# KiCad board issue8909.kicad_pcb (continued)
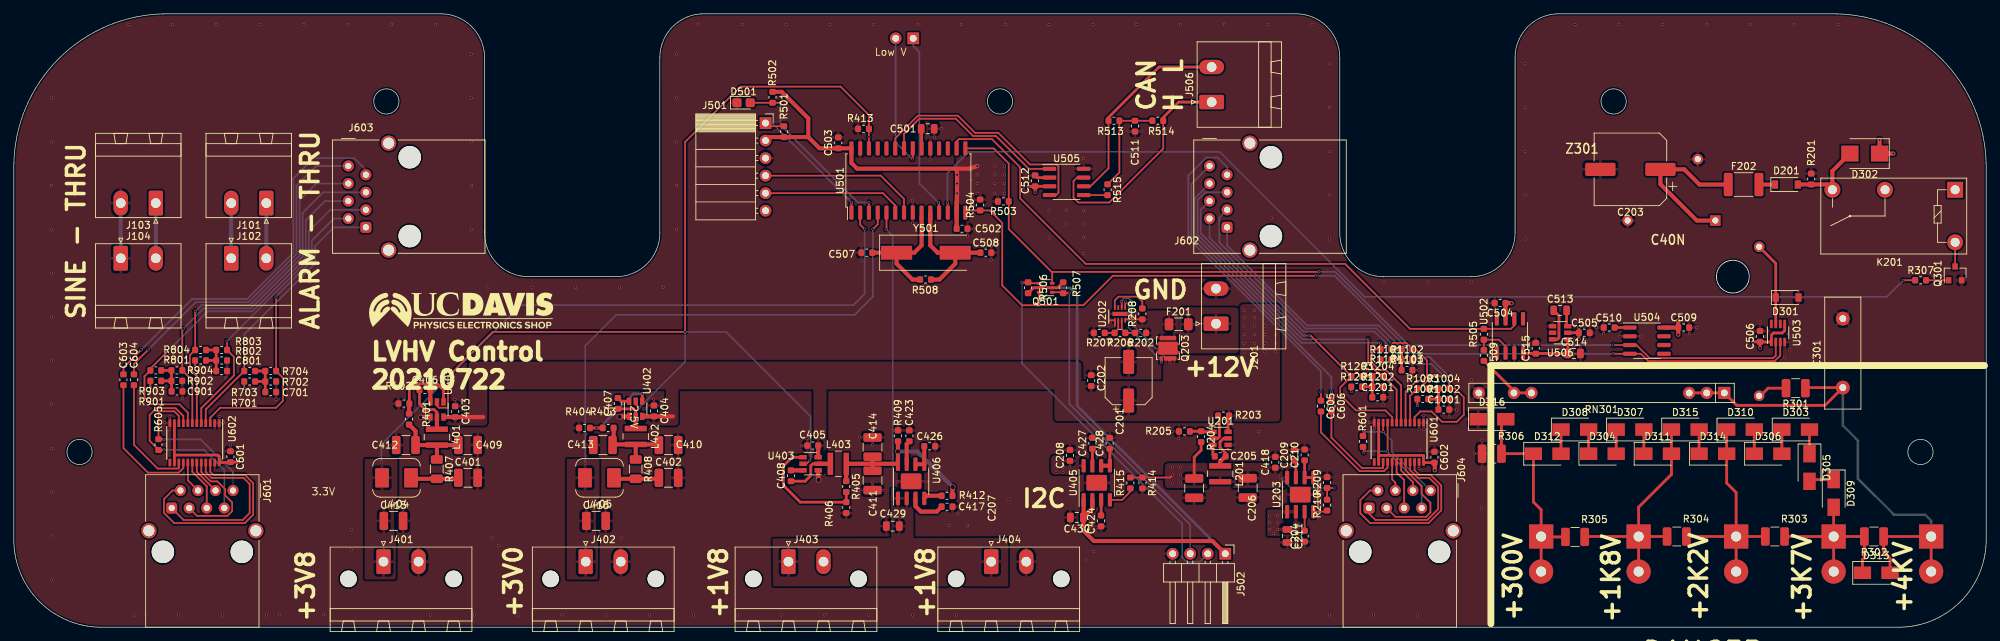
[diagram p0: board, top side]
## Nets
+3V3: C430.1 J502.1 Q501.2 Q501.5 R506.2 R507.2 U405.1 U405.2
+3V3I: C211.1 C601.2 C602.2 R701.1 R801.1 R901.1 R1001.1 R1101.1 R1201.1 U203.1 U203.2 U601.11 U601.14 U601.24 U602.11 U602.14 U602.24
+3V8: C409.1 C412.1 L401.2 R401.1 R407.1
+5V: C206.1 C207.1 C208.1 C418.1 C502.1 C503.1 C504.1 C505.1 C506.1 C509.1 C512.1 J501.2 L201.2 R204.1 R209.1 R210.2 R414.1 R415.2 R501.1 R502.2 R503.2 R504.2 U203.8 U405.8 U501.13 U501.28 U502.7 U503.1 U503.5 U504.8 U505.3 U506.2
+12V: C201.1 C202.1 C403.1 C404.1 C405.1 D302.1 K201.1 K201.2 Q203.6 Q203.7 Q203.8 R203.2 U201.3 U202.6 U401.3 U402.3 U403.3
-5V: C514.1 C515.1 U502.4 U506.1
/LowVoltage/1V8_OUT: C429.1 J403.1 J404.1 U406.1 U406.2 U501.5
/LowVoltage/2V6: C411.1 C414.1 L403.2 R405.1 R409.1 R412.2 U406.8
/LowVoltage/2V6_Feedback: R405.2 R406.1 U403.4
/LowVoltage/3V0: C410.1 C413.1 L402.2 R403.1 R408.1
/LowVoltage/3V0_Feedback: R403.2 R404.1 U402.4
/LowVoltage/3V0_OUT: C416.1 J402.1 L405.2 U501.4
/LowVoltage/3V8_Feedback: R401.2 R402.1 U401.4
/LowVoltage/3V8_OUT: C415.1 J401.1 L404.2 U501.2
/PowerInput/5V_Feedback: R204.2 R205.1 U201.4
/PowerInput/VIN: F201.2 J201.1
/PowerInput/VIN_FUSED: F201.1 Q203.1 Q203.2 Q203.3 Q203.4 R202.1 R208.1 U202.4
GND: C201.2 C202.2 C203.2 C204.1 C206.2 C207.2 C208.2 C209.2 C210.2 C211.2 C301.2 C401.2 C402.2 C403.2 C404.2 C405.2 C409.2 C410.2 C411.2 C412.2 C413.2 C414.2 C415.2 C416.2 C417.1 C418.2 C423.2 C424.1 C426.2 C427.2 C428.2 C429.2 C430.2 C501.2 C502.2 C503.2 C504.2 C505.2 C506.2 C507.2 C508.2 C509.2 C510.2 C511.2 C512.2 C514.2 C515.2 C601.1 C602.1 C701.2 C801.2 C901.2 C1001.2 C1101.2 C1201.2 D301.2 D316.1 D501.1 J103.2 J104.1 J201.2 J401.2 J402.2 J403.2 J404.2 J501.3 J502.4 Q301.2 R201.2 R205.2 R207.2 R209.2 R306.2 R402.2 R404.2 R406.2 R409.2 R413.2 R414.2 R702.2 R802.2 R902.2 R1002.2 R1102.2 R1202.2 RN301.3 U201.1 U202.1 U202.9 U203.9 U401.1 U402.1 U403.1 U405.9 U406.9 U501.8 U501.19 U501.27 U502.3 U503.4 U504.2 U505.2 U505.8 U506.4 U601.1 U601.2 U601.12 U601.23 U602.1 U602.2 U602.12 U602.23 Z301.2 Z301.5
/Alarm1: J101.1 J102.2
/Alarm2: J101.2 J102.1
/HighVoltage/HV_Ctrl: D301.1 U503.7 Z301.3
/HighVoltage/HV_MON: R509.2 RN301.2
/HighVoltage/HV_ON_OFF: R307.1 U501.12
/HighVoltage/SW1: K201.5 Q301.3
/LowVoltage/LV_EN: R413.1 U401.5 U402.5 U403.5 U501.26
/LVDSConnections/BiasNet1/in_n: J603.6 R804.2 U602.6
/LVDSConnections/BiasNet1/in_p: J603.3 R803.1 U602.5
/LVDSConnections/BiasNet2/in_n: J603.5 R904.2 U602.7
/LVDSConnections/BiasNet2/in_p: J603.4 R903.1 U602.8
/LVDSConnections/BiasNet3/in_n: J602.2 R1004.2 U601.3
/LVDSConnections/BiasNet3/in_p: J602.1 R1003.1 U601.4
/LVDSConnections/BiasNet4/in_n: J602.6 R1104.2 U601.6
/LVDSConnections/BiasNet4/in_p: J602.3 R1103.1 U601.5
/LVDSConnections/BiasNet5/in_n: J602.5 R1204.2 U601.7
/LVDSConnections/BiasNet5/in_p: J602.4 R1203.1 U601.8
/LVDSConnections/BiasNet/in_n: J603.2 R704.2 U602.3
/LVDSConnections/BiasNet/in_p: J603.1 R703.1 U602.4
/MCU/CAN_H: J506.1 R514.1 U505.7
/MCU/CAN_L: J506.2 R513.2 U505.6
/MCU/CAN_RX: U501.23 U505.4
/MCU/CAN_TX: U501.22 U505.1
/MCU/PGC: J501.5 U501.6
/MCU/PGD: J501.4 U501.7
/MCU/SCL: Q501.3 R503.1 U501.15 U503.2 U504.3
/MCU/SDA: Q501.6 R504.1 U501.14 U503.3 U504.4
/Sine: J103.1 J104.2
Net-(C203-Pad1): C203.1 F202.1 Z301.1
Net-(C204-Pad2): C204.2 U203.3
Net-(C205-Pad1): C205.1 L201.1 U201.2
Net-(C205-Pad2): C205.2 U201.6
Net-(C209-Pad1): C209.1 U203.7
Net-(C210-Pad1): C210.1 U203.5 U203.6
Net-(C301-Pad1): C301.1 D313.2 J305.1 R301.1 R302.1 RN301.1
Net-(C401-Pad1): C401.1 L404.1 R407.2
Net-(C402-Pad1): C402.1 L405.1 R408.2
Net-(C406-Pad1): C406.1 L401.1 U401.2
Net-(C406-Pad2): C406.2 U401.6
Net-(C407-Pad1): C407.1 L402.1 U402.2
Net-(C407-Pad2): C407.2 U402.6
Net-(C408-Pad1): C408.1 L403.1 U403.2
Net-(C408-Pad2): C408.2 U403.6
Net-(C417-Pad2): C417.2 U406.3
Net-(C423-Pad1): C423.1 U406.7
Net-(C424-Pad2): C424.2 U405.3
Net-(C426-Pad1): C426.1 U406.5 U406.6
Net-(C427-Pad1): C427.1 U405.7
Net-(C428-Pad1): C428.1 U405.5 U405.6
Net-(C501-Pad1): C501.1 U501.20
Net-(C507-Pad1): C507.1 R508.1 U501.9 Y501.1
Net-(C508-Pad1): C508.1 R508.2 U501.10 Y501.2
Net-(C510-Pad1): C510.1 U504.1
Net-(C511-Pad1): C511.1 R513.1 R514.2 R515.1
Net-(C513-Pad1): C513.1 U506.6
Net-(C513-Pad2): C513.2 U506.3
Net-(C603-Pad1): C603.1 J603.7
Net-(C603-Pad2): C603.2 U602.16
Net-(C604-Pad1): C604.1 J603.8
Net-(C604-Pad2): C604.2 U602.15
Net-(C605-Pad1): C605.1 J602.7
Net-(C605-Pad2): C605.2 U601.16
Net-(C606-Pad1): C606.1 J602.8
Net-(C606-Pad2): C606.2 U601.15
Net-(C701-Pad1): C701.1 R701.2 R702.1 R703.2 R704.1
Net-(C801-Pad1): C801.1 R801.2 R802.1 R803.2 R804.1
Net-(C901-Pad1): C901.1 R901.2 R902.1 R903.2 R904.1
Net-(C1001-Pad1): C1001.1 R1001.2 R1002.1 R1003.2 R1004.1
Net-(C1101-Pad1): C1101.1 R1101.2 R1102.1 R1103.2 R1104.1
Net-(C1201-Pad1): C1201.1 R1201.2 R1202.1 R1203.2 R1204.1
Net-(D201-Pad1): D201.1 F202.2
Net-(D201-Pad2): D201.2 D302.2 K201.3 R201.1
Net-(D303-Pad1): D303.1 D306.2
Net-(D303-Pad2): D303.2 D305.1
Net-(D304-Pad1): D304.1 D308.2
Net-(D304-Pad2): D304.2 D307.1
Net-(D305-Pad2): D305.2 D309.1
Net-(D306-Pad1): D306.1 D310.2
Net-(D307-Pad2): D307.2 D311.1
Net-(D308-Pad1): D308.1 D312.2
Net-(D309-Pad2): D309.2 D313.1 J301.1 R302.2 R303.1
Net-(D310-Pad1): D310.1 D314.2 J302.1 R303.2 R304.1
Net-(D311-Pad2): D311.2 D315.1 J303.1 R304.2 R305.1
Net-(D312-Pad1): D312.1 D316.2 J304.1 R305.2 R306.1
Net-(D314-Pad1): D314.1 D315.2
Net-(D501-Pad2): D501.2 R502.1 U501.3
Net-(J501-Pad1): J501.1 R501.2 U501.1
Net-(J502-Pad2): J502.2 Q501.4 R506.1
Net-(J502-Pad3): J502.3 Q501.1 R507.1
Net-(J504-Pad1): J504.1 U501.11
Net-(J504-Pad2): J504.2 U501.21
Net-(J601-Pad1): J601.1 U602.21
Net-(J601-Pad2): J601.2 U602.22
Net-(J601-Pad3): J601.3 U602.20
Net-(J601-Pad4): J601.4 U602.17
Net-(J601-Pad5): J601.5 U602.18
Net-(J601-Pad6): J601.6 U602.19
Net-(J601-Pad7): J601.7 R605.1 U602.9
Net-(J601-Pad8): J601.8 R605.2 U602.10
Net-(J604-Pad1): J604.1 U601.21
Net-(J604-Pad2): J604.2 U601.22
Net-(J604-Pad3): J604.3 U601.20
Net-(J604-Pad4): J604.4 U601.17
Net-(J604-Pad5): J604.5 U601.18
Net-(J604-Pad6): J604.6 U601.19
Net-(J604-Pad7): J604.7 R601.1 U601.9
Net-(J604-Pad8): J604.8 R601.2 U601.10
Net-(Q203-Pad5): Q203.5 U202.5
Net-(Q203-Pad9): Q203.9
Net-(Q301-Pad1): Q301.1 R307.2
Net-(R202-Pad2): R202.2 R206.1 U202.3
Net-(R203-Pad1): R203.1 U201.5
Net-(R206-Pad2): R206.2 R207.1 U202.2
Net-(R208-Pad2): R208.2 U202.8
Net-(R210-Pad1): R210.1 U203.4
Net-(R301-Pad2): R301.2 Z301.4
Net-(R412-Pad1): R412.1 U406.4
Net-(R415-Pad1): R415.1 U405.4
Net-(R505-Pad1): R505.1 U501.16 U502.6
Net-(R505-Pad2): R505.2 R509.1 U502.2
Net-(R515-Pad2): R515.2 U505.5

Pads without a net: J501 6; J601 SH; J602 SH; J603 SH; J604 SH; U202 7; U501 17 18 24 25; U502 1 5 8; U503 6 8; U504 5 6 7; U506 5; U601 13; U602 13

## Via types
v1: diameter 0.8, hole 0.635, Top to Bottom, 5 vias
v2: diameter 0.406, hole 0.305, Top to Bottom, 303 vias
v3: diameter 0.457, hole 0.356, Top to Bottom, 10 vias

## Routing (per net, layer and track width the routed paths; a pad name or vN(x,y) marks a point on that pad's centre or on a via; arc(x,y) is an arc through that point)
+3V3: length 86.6
  Top w0.4: R506.2 147.73,49.2 Q501.5 v2(149.49,49.2) Q501.2 151.24,49.2 R507.2
  Top w0.6: U405.2 156.26,17.22 C430.1 154.95,14.02 156.47,12.49 173.66,12.49 J502.1 ; U405.1 154.99,15.95
  Bottom w0.4: J502.1 154.06,32.1 154.06,48.14 153.01,49.2 v2(149.49,49.2)
+3V3I: length 37.3
  Top w0.25: R1101.1 198,38.1 v2(198.18,37.92) ; v2(203.38,32.12) 203.34,32.17 R1001.1 ; R801.1 26.27,37.79 v2(26.26,37.77) ; R701.1 v2(33.38,34.61) ; R1201.1 193.76,34.14 v2(193.78,34.12) ; R901.1 v2(19.79,34.7)
  Top w0.4: 23.26,24.95 29.58,24.95 29.76,24.77 U602.24 31.32,23.87 ; 23.26,24.95 U602.14 ; 23.26,24.95 U602.11 ; C601.2 v2(32.58,23.92) ; U601.14 197.74,29.65 ; C602.2 204.33,23.85 204.24,23.95 204.23,24.9 197.74,24.9
  Top w0.6: v3(205.87,22.73) 205.87,23.8
  vias: v2(181.91,16.15) v2(181.91,15.15) v2(181.91,14.15) v2(182.51,13.55) v2(183.11,16.15) v2(183.11,15.15) v2(183.11,14.15)
+3V8: length 11.6
  Top w0.6: L401.2 58.21,26.4 ; L401.2 64.39,26.4 ; L401.2 61.3,24.32 ; R401.1 58.2,28.43 C412.1
+5V: length 99.3
  Top w0.25: v2(191.26,20.18) R209.1 R210.2 ; R415.2 R414.1 167.51,21.69 v2(167.87,22.05)
  Top w0.4: C505.1 v3(226.74,43.46) ; C505.1 226.74,41.77 v3(226.75,41.76) ; C505.1 U506.2 ; U503.5 256.56,42.98 256.22,42.64 254.92,42.64 254.62,42.34 U503.1 253.01,41.33 ; v3(253,40.44) 252.98,40.46 C506.1 v3(251.95,41.36) ; R204.1 172.01,25.65 171.01,24.65 C207.1 ; C512.1 147.96,63.05 v3(147.96,63.05) ; C512.1 v3(146.96,63.9) ; C512.1 150.04,63.9
  Top w0.6: v2(139.57,66.83) 138.49,66.45 122.17,66.45 121.35,67.28 U501.28 121.33,69.41 C503.1 116.72,69.41 115.1,71.03 ; U501.13 v2(136.65,62.9) v2(136.65,64.29) v2(136.65,65.56) 136.59,66.45 ; U501.13 C502.1 ; U501.13 136.59,61.69 ; R502.2 111.26,77.58 115.1,73.75 115.1,71.03 ; C509.1 v3(241.14,42.4) ; C509.1 v3(241.14,44.47) ; C509.1 U504.8 ; J501.2 109.41,71.03 R501.1 115.1,71.03 ; U502.7 C504.1 216.98,46.97 v3(216.99,46.96)
  Bottom w0.25: v2(191.26,20.18) 185.06,20.18 v2(183.46,21.78)
  vias: v2(139.57,65.56) v2(139.57,64.29) v2(139.57,62.9) v2(142.11,66.83) v2(142.11,65.56) v2(142.11,64.29) v2(142.11,62.9) v2(143.51,66.83) v2(143.51,65.56) v2(143.51,64.29) v2(143.51,62.9) v2(150.98,24.01) v2(150.98,23.21) v2(150.98,22.41) v2(151.98,24.01) v2(151.98,23.21) v2(151.98,22.41) v2(152.98,23.21) v2(152.98,22.41) v2(167.87,23.19) v2(167.87,20.9) v2(169.01,23.19) v2(169.01,22.05) v2(169.01,20.9)
+12V: length 32.6
  Top w0.25: U202.6 160.51,47.11 v2(160.44,47.18) ; v2(167.51,38.4) Q203.7
  Top w0.4: U201.3 175.92,30.53
  Top w0.6: U402.3 C404.1 95.48,30.55 ; U403.3 C405.1 ; 68.01,30.46 C403.1 62.25,30.46 ; v2(272.3,68.64) D302.1 v2(270.3,70.64)
  Bottom w0.25: v2(167.51,38.4) 161.98,43.93 161.98,47.22 161.52,47.68 160.83,47.68 160.44,47.3 v2(160.44,47.18)
  vias: v2(178.25,45.9) v2(178.25,44.9) v2(178.25,43.65) v2(178.25,42.4) v2(178.25,41.15) v2(178.25,39.9) v2(179.75,45.9) v2(179.75,44.9) v2(179.75,43.65) v2(179.75,42.4) v2(179.75,41.15) v2(179.75,39.9) v2(181.25,43.65) v2(181.25,42.4) v2(181.25,41.15) v2(181.25,39.9) v2(182.75,42.4) v2(182.75,41.15) v2(182.75,39.9)
-5V: length 8.4
  Top w0.4: C514.1 218.73,39.67 ; U506.1 225.13,39.71
/LowVoltage/1V8_OUT: length 41.8
  Top w0.25: v2(126.36,57.69) 126.43,57.75 U501.5
  Bottom w0.25: v2(126.36,57.69) 127.34,56.72 v2(127.34,18.69)
/LowVoltage/2V6: length 26.7
  Top w0.6: v1(136.03,20.32) 135.99,20.28 R412.2 ; C414.1 C411.1 ; R405.1 L403.2 128.09,23.69 ; R409.1 U406.8
  Bottom w0.6: v1(136.03,20.32) 130.89,25.47 v1(128.09,25.47)
/LowVoltage/2V6_Feedback: length 17.8
  Top w0.4: R405.2 R406.1 113.93,18.12 111.48,20.57 111.48,23.37 112.75,24.64 U403.4
/LowVoltage/3V0: length 11
  Top w0.6: L402.2 R408.1 ; L402.2 93.36,26.49 ; L402.2 86.84,26.49 ; R403.1 86.9,26.56
/LowVoltage/3V0_Feedback: length 11.6
  Top w0.4: U402.4 91.05,33.81 v2(91.07,33.83) ; R403.2 v2(84.46,28.88) R404.1
  Bottom w0.4: v2(91.07,33.83) 89.81,33.83 84.85,28.88 v2(84.46,28.88)
/LowVoltage/3V0_OUT: length 74.2
  Top w0.25: v2(124.46,57.69) 125.16,58.39 U501.4
  Bottom w0.25: v2(82.79,23.72) 82.79,40.79 87.26,45.26 121.8,45.26 124.46,47.92 v2(124.46,57.69)
/LowVoltage/3V8_Feedback: length 10.9
  Top w0.4: R402.1 57.3,34.5 58.07,35.27 61.35,35.27 62.25,34.37 U401.4
  Top w0.6: R401.2 57.26,32.37
/LowVoltage/3V8_OUT: length 93.7
  Top w0.25: U501.2 122.62,58.33 v2(123.26,57.69)
  Bottom w0.25: v2(123.26,57.69) 123.26,48.29 121.66,46.69 73.46,46.69 53.24,26.48 v2(53.24,23.94)
/PowerInput/5V_Feedback: length 2.9
  Top w0.4: U201.4 172.09,28.32 ; R204.2 170.79,28.4
/PowerInput/VIN_FUSED: length 2.5
  Top w0.25: U202.4 161.15,44.62 R208.1
GND: length 16
  Top w0.25: 158.8,44.48 U202.1 159.51,43.65
  Top w0.4: C512.2 148.27,65.17 150.04,65.17
  Top w0.6: v1(87.75,30.49) 87.81,30.55 U402.1 ; U403.1 116.54,21.4 v1(116.6,21.34) ; v1(58.95,30.4) 59.01,30.46 60.35,30.46
  Bottom w0.6: J103.2 J104.1
  vias: v2(5.46,76.71) v2(5.46,70.36) v2(5.46,64.01) v2(5.46,57.66) v2(5.46,51.31) v2(5.46,44.96) v2(5.46,38.61) v2(5.46,32.26) v2(5.46,25.91) v2(5.46,19.56) v2(5.46,13.21) v2(5.46,6.86) v2(16.64,87.38) v2(17.54,1.78) v2(19.18,1.78) v2(21.84,29.64) v2(22.6,30.53) v2(22.6,28.62) v2(22.99,87.38) v2(23.89,1.78) v2(24.43,33.14) v2(29.34,87.38) v2(29.84,30.53) v2(30.24,1.78) v2(30.35,29.64) v2(30.66,36.17) v2(31.38,26.41) v2(35.69,87.38) v2(36.59,1.78) v2(37.98,33.01) v2(38.48,1.81) v2(42.04,87.38) v2(44.83,1.81) v2(48.39,87.38) v2(48.89,14.13) v2(48.89,11.21) v2(54.74,87.38) v2(60.37,1.78) v2(61.09,87.38) v2(63.9,32.97) v2(64.92,32.08) v2(66.29,83.06) v2(66.29,76.71) v2(66.29,70.36) v2(66.29,64.01) v2(66.29,57.66) v2(66.72,1.78) v2(68.71,49.28) v2(69.26,12.95) v2(70.27,11.81) v2(73.07,1.78) v2(75.06,49.28) v2(79.42,1.78) v2(81.41,49.28) v2(85.77,1.78) v2(87.76,49.28) v2(88.05,12.95) v2(92.12,1.78) v2(92.7,33.07) v2(93.85,32.05) v2(94.11,49.28) v2(96.01,83.06) v2(96.01,76.71) v2(96.01,70.36) v2(96.01,64.01) v2(96.01,57.66) v2(98.47,1.78) v2(99.19,87.38) v2(104.82,1.78) v2(105.54,87.38) v2(111.17,1.78) v2(111.89,87.38) v2(114.15,26.29) v2(114.91,27.31) v2(117.52,1.78) v2(118.24,87.38) v2(122.4,19.81) v2(122.53,27.56) v2(122.73,55.53) v2(122.73,53.1) v2(123.87,1.78) v2(124.43,26.42) v2(124.43,20.96) v2(124.59,87.38) v2(126.21,19.81) v2(127.99,21.08) v2(130.18,61.88) v2(130.18,58.58) v2(130.22,1.78) v2(130.94,87.38) v2(132.18,21.08) v2(132.72,67.72) v2(133.35,71.03) v2(134.37,72.3) v2(135.48,14.73) v2(136.57,1.78) v2(136.75,16.51) v2(137.29,87.38) v2(138.18,56.67) v2(138.15,14.73) v2(139.06,57.69) v2(140.49,18.55) v2(141.6,55.28) v2(141.6,53.25) v2(142.27,17.4) v2(143.64,87.38) v2(144.18,18.55) v2(149.99,87.38) v2(150,60.44) v2(150,56.44) v2(152.5,60.44) v2(152.5,58.44) v2(155,67.94) v2(155,60.44) v2(155,58.44) v2(155,56.44) v2(155,54.14) v2(155.3,9.72) v2(156.34,87.38) v2(156.44,10.99) v2(156.89,14.1) v2(161.54,71.88) v2(162.69,87.38) v2(163.32,71.88) v2(167.81,28.38) v2(168.78,27.36) v2(169.04,87.38) v2(175.39,87.38) v2(175.9,25.78) v2(176.91,26.42) v2(180.34,28.32) v2(181.74,87.38) v2(182.25,59.31) v2(188.09,87.38) v2(190.63,81.66) v2(190.63,75.31) v2(190.63,68.96) v2(190.63,62.61) v2(190.63,56.26) v2(190.63,1.78) v2(196.38,29.68) v2(196.98,1.78) v2(197.1,28.83) v2(198.38,32.28) v2(198.5,50.04) v2(199.38,33.28) v2(202.58,36.28) v2(203.33,1.78) v2(203.58,37.28) v2(203.58,28.7) v2(203.58,22.99) v2(203.66,25.66) v2(204.3,30.74) v2(204.3,28.71) v2(204.85,50.04) v2(207.98,30.48) v2(208.98,33.08) v2(208.98,31.48) v2(211.2,50.04) v2(211.2,35.81) v2(211.58,25.21) v2(212.6,17.27) v2(212.72,27.11) v2(212.72,23.05) v2(218.95,81.66) v2(218.95,75.31) v2(218.95,68.96) v2(218.95,62.61) v2(218.95,56.26) v2(226.19,87.38) v2(229.29,43.43) v2(230.3,42.55) v2(232.54,87.38) v2(232.72,42.16) v2(235.64,42.16) v2(238.89,87.38) v2(242.75,42.55) v2(243.77,43.43) v2(245.24,87.38) v2(251.59,87.38) v2(252.98,44.14) v2(256.54,39.12) v2(257.3,40.26) v2(257.94,87.38) v2(264.29,87.38)
/Alarm1: length 8
  Bottom w0.6: J101.1 J102.2
/Alarm2: length 8
  Bottom w0.6: J101.2 J102.1
/HighVoltage/HV_Ctrl: length 12.2
  Top w0.4: U503.7 D301.1 255.26,52.73 Z301.3
/HighVoltage/HV_MON: length 8.7
  Top w0.4: 217.32,34.25 R509.2 ; RN301.2 RN301.2
/HighVoltage/HV_ON_OFF: length 156.9
  Top w0.25: v2(273.75,50.28) R307.1 ; v2(135.25,61.5) 135.32,61.44 U501.12
  Bottom w0.25: v2(135.25,61.5) 135.25,65.81 138.35,68.9 174.68,68.9 195.71,47.88 271.35,47.88 v2(273.75,50.28)
/HighVoltage/SW1: length 3.5
  Top w0.25: Q301.3 K201.5
/LowVoltage/LV_EN: length 153.7
  Top w0.25: U402.5 90.1,32.29 v2(90.58,31.81) ; 61.3,32.66 61.3,32.11 61.6,31.8 62.9,31.8 62.9,36.32 69.38,42.81 v2(97.25,42.81) 97.25,70.32 105.28,78.35 119.77,78.35 123.89,74.23 R413.1 v2(123.89,71.09) U501.26 ; v2(115.29,24.13) 114.85,23.69 U403.5
  Bottom w0.25: v2(115.29,24.13) 115.44,24.28 115.44,30.55 103.18,42.81 v2(97.25,42.81) 97.25,38.47 v2(90.58,31.81)
/LVDSConnections/BiasNet1/in_n: length 51.5
  Top w0.25: U602.6 26.51,36.41 25.51,37.41 25.51,39.42 R804.2 26.27,45.74 v2(26.3,45.77)
  Bottom w0.25: v2(26.3,45.77) 27.2,46.67 34.18,46.67 41.4,53.89 41.4,61.89 43.82,64.3 J603.6
/LVDSConnections/BiasNet1/in_p: length 44.7
  Top w0.25: v2(30.87,41.45) 30.89,41.42 R803.1 31.89,39.19 31.89,36.48 27.16,31.75 U602.5
  Bottom w0.25: v2(30.87,41.45) 42.75,53.33 42.75,57.39 45.85,60.49 J603.3
/LVDSConnections/BiasNet2/in_n: length 52.7
  Top w0.25: v2(24.52,43.23) 24.41,43.12 R904.2 25.86,35.77 U602.7
  Bottom w0.25: J603.5 44.83,63.03 41.85,60.05 41.85,53.7 34.37,46.22 27.51,46.22 v2(24.52,43.23)
/LVDSConnections/BiasNet2/in_p: length 54.9
  Top w0.25: U602.8 25.21,31.1 24.01,32.31 19.95,32.31 18.93,33.32 18.93,36.37 R903.1 ; v2(22.49,40.18) 19.79,37.48
  Bottom w0.25: v2(22.49,40.18) 28.07,45.77 34.55,45.77 42.3,53.51 42.3,58.98 45.09,61.76 J603.4
/LVDSConnections/BiasNet3/in_n: length 61.6
  Top w0.25: v2(207.91,35.61) 207.96,35.56 R1004.2 208.8,34.59 210.07,33.32 210.07,30.78 209.05,29.77 206.91,29.77 205.41,31.27 203.76,31.27 202.94,30.45 U601.3
  Bottom w0.25: J602.2 173.23,56.44 186.83,42.85 197.11,42.85 201.81,38.15 205.37,38.15 v2(207.91,35.61)
/LVDSConnections/BiasNet3/in_p: length 53.3
  Top w0.25: v2(207.91,36.37) 205.44,36.37 203.66,34.59 R1003.1 202.28,33.54 U601.4
  Bottom w0.25: v2(207.91,36.37) 205.12,39.15 202.31,39.15 197.72,43.74 187.32,43.74 175.77,55.29 J602.1
/LVDSConnections/BiasNet4/in_n: length 56.6
  Top w0.25: v2(198,41.2) R1104.2 197.37,40.31 196.73,39.67 196.73,38.36 197.83,37.26 198.77,37.26 200.99,35.04 U601.6
  Bottom w0.25: J602.6 171.06,62.13 171.06,56.71 186.57,41.2 v2(198,41.2)
/LVDSConnections/BiasNet4/in_p: length 53.2
  Top w0.25: v2(199.53,41.2) 201.74,41.2 R1103.1 203.08,40.31 204.73,38.66 204.73,36.37 204.1,35.73 203.23,35.73 201.63,34.14 U601.5
  Bottom w0.25: v2(199.53,41.2) 197.42,43.3 187.14,43.3 174.65,55.78 174.65,59.37 J602.3
/LVDSConnections/BiasNet5/in_n: length 54.7
  Top w0.25: U601.7 200.34,34.44 R1204.2 198.08,36.37 196.22,38.23 v2(196.22,41.72)
  Bottom w0.25: v2(196.22,41.72) 186.68,41.72 171.51,56.9 171.51,61.94 172.6,63.03 J602.5
/LVDSConnections/BiasNet5/in_p: length 48.6
  Top w0.25: U601.8 199.69,30.45 198.72,31.42 194.44,31.42 192.16,33.7 192.16,34.74 R1203.1 187.9,42.25 v2(187.71,42.25)
  Bottom w0.25: J602.4 171.96,60.49 171.96,57.08 186.79,42.25 v2(187.71,42.25)
/LVDSConnections/BiasNet/in_n: length 44.8
  Top w0.25: v2(37.98,47.8) 38.01,47.77 R704.2 39,36.14 39,32.81 37.98,31.8 29.89,31.8 28.46,30.37 U602.3
  Bottom w0.25: J603.2 46.36,59.22 43.2,56.06 43.2,53.14 37.98,47.93 v2(37.98,47.8)
/LVDSConnections/BiasNet/in_p: length 40.7
  Top w0.25: v2(33.41,41.45) 33.38,41.42 R703.1 27.81,31.56 U602.4
  Bottom w0.25: J603.1 46.36,57.95 43.65,55.24 43.65,52.7 33.41,42.47 v2(33.41,41.45)
/MCU/CAN_H: length 33.1
  Top w0.25: R514.1 166.52,69.36 158.7,61.55 154.23,61.55 153.52,62.25 153.52,64.67 154.02,65.17 U505.7
  Top w0.4: J506.1 168.75,76.11 166.52,73.88 R514.1
/MCU/CAN_L: length 30
  Top w0.25: 155,63.9 155.97,63.9 158.6,66.52 R513.2
  Top w0.4: J506.2 165.9,81.19 158.6,73.88 R513.2
/MCU/CAN_RX: length 34.8
  Top w0.25: 150.04,62.63 151.02,62.63 151.35,62.95 151.35,66.8 151.09,67.06 147.22,67.06 142.63,71.65 139.26,71.65 136.77,74.14 130.98,74.14 127.7,70.86 U501.23
/MCU/CAN_TX: length 27.1
  Top w0.25: U501.22 128.97,71.49 131.17,73.69 136.47,73.69 138.98,71.19 142.29,71.19 147.04,66.44 150.04,66.44
/MCU/PGC: length 20.6
  Top w0.25: U501.6 127.7,61.11 125.91,62.9 J501.5
/MCU/PGD: length 23.4
  Top w0.25: U501.7 128.97,62.07 125.6,65.44 J501.4
/MCU/SCL: length 139.3
  Top w0.25: U501.15 141.96,69.39 144.15,67.21 144.15,57.71 150.36,51.5 ; 150.36,51.5 v2(189.04,51.5) ; 150.36,51.5 150.44,51.42 Q501.3 ; U503.2 255.26,39.36 254.9,39 236.99,39 235.09,40.89 U504.3 231.76,40.89
  Bottom w0.25: v2(231.75,40.9) 228.15,40.89 202.06,40.89 191.45,51.5 v2(189.04,51.5)
/MCU/SDA: length 140.7
  Top w0.25: 148.09,46.66 146.06,46.66 143.2,49.51 143.2,58.59 141.39,60.39 138.16,60.39 U501.14 ; 148.09,46.66 148.54,46.66 Q501.6 ; 148.09,46.66 154.95,46.66 159.22,50.93 v2(188.59,50.93) ; 231.76,39.62 235.73,39.62 236.8,38.55 255.09,38.55 255.92,39.38 U503.3
  Bottom w0.25: v2(231.75,39.62) 231.73,39.6 202.71,39.6 191.39,50.93 v2(188.59,50.93)
/Sine: length 8
  Bottom w0.6: J103.1 J104.2
Net-(C203-Pad1): length 23
  Top w0.6: F202.1 244.2,64.15 242,66.35 C203.1 238.55,64.2 243.82,58.94 Z301.1
Net-(C204-Pad2): length 2.8
  Top w0.25: U203.3 C204.2
Net-(C205-Pad1): length 5.5
  Top w0.4: U201.2 175.27,27.37 174.75,26.85 174.75,26.06 175.56,25.24 C205.1
  Top w0.6: 175.51,24.77 174.75,24 174.75,23.4
Net-(C205-Pad2): length 1.8
  Top w0.4: U201.6 173.72,25.03 C205.2
Net-(C209-Pad1): length 2.2
  Top w0.4: U203.7 185.74,23.92
Net-(C210-Pad1): length 3.8
  Top w0.4: C210.1 U203.6 U203.5
Net-(C301-Pad1): length 76.4
  Top w0.4: D313.2 271.82,9.97 270.89,10.9 R302.1 J305.1 J305.1 ; RN301.1 RN301.1 RN301.1 249.6,32.15 262.41,32.15 C301.1 259.73,34.72
  Bottom w0.4: J305.1 277.78,15.42 276.9,16.31 272.4,16.31 267.15,21.55 267.15,27.06 264.98,29.24 C301.1
Net-(C401-Pad1): length 6.5
  Top w0.6: 64.25,21.5 R407.2 57.7,21.5
Net-(C402-Pad1): length 6.2
  Top w0.6: 93.3,21.5 R408.2 87.1,21.5
Net-(C406-Pad1): length 7.5
  Top w0.4: C406.1 58.77,32.35 59.59,31.54 60.89,31.54 61.3,31.13 61.3,30.46
  Top w0.6: 61.3,30.46 L401.1
Net-(C406-Pad2): length 1.7
  Top w0.6: C406.2 U401.6
Net-(C407-Pad1): length 5.3
  Top w0.4: C407.1 89.77,31.64 90.1,31.32 U402.2
  Top w0.6: U402.2 L402.1
Net-(C407-Pad2): length 1.8
  Top w0.4: U402.6 87.98,32.75 C407.2
Net-(C408-Pad1): length 7.6
  Top w0.4: U403.2 115.77,23.69 115.46,23.37 115.46,21.97 114.65,21.16 C408.1
  Top w0.6: U403.2 L403.1
Net-(C408-Pad2): length 1.7
  Top w0.6: C408.2 U403.6
Net-(C417-Pad2): length 5.5
  Top w0.6: C417.2 133.71,16.75 131.4,16.75 130.63,17.53 U406.3
Net-(C423-Pad1): length 3.5
  Top w0.6: U406.7 129.36,26.57 C423.1
Net-(C424-Pad2): length 2.2
  Top w0.4: U405.3 157.53,16.21
Net-(C426-Pad1): length 3.9
  Top w0.6: U406.6 U406.5 C426.1
Net-(C427-Pad1): length 2.5
  Top w0.4: U405.7 C427.1
Net-(C428-Pad1): length 3.7
  Top w0.4: U405.5 158.8,25.83
  Top w0.6: U405.6 U405.5
Net-(C501-Pad1): length 2.8
  Top w0.4: U501.20 131.51,72.18
Net-(C507-Pad1): length 18.4
  Top w0.6: R508.1 130.19,50.39 127.89,52.68 Y501.1 C507.1 ; 131.51,59.33 131.51,55.34 130.45,54.28 127.06,54.28
Net-(C508-Pad1): length 17.8
  Top w0.6: U501.10 132.78,55.34 133.84,54.28 135.56,54.28 ; R508.2 134.1,50.39 136.39,52.68 Y501.2 C508.1 ; 132.78,59.15 132.71,59.08
Net-(C510-Pad1): length 2.2
  Top w0.4: 231.92,43.43 U504.1
Net-(C511-Pad1): length 14.7
  Top w0.25: R514.2 C511.1 R513.1 160.17,65.9 R515.1
Net-(C513-Pad1): length 5.3
  Top w0.4: U506.6 223.63,41.72 223.86,41.95 223.86,45.16 C513.1
Net-(C513-Pad2): length 2.4
  Top w0.4: C513.2 224.97,43.79 U506.3
Net-(C603-Pad1): length 56.4
  Top w0.25: v2(18.42,40.18) 15.88,37.64 C603.1
  Bottom w0.25: J603.7 51.01,66.27 49.31,67.97 43.42,67.97 40.5,65.05 40.5,54.26 33.81,47.56 25.81,47.56 v2(18.42,40.18)
Net-(C603-Pad2): length 20.3
  Top w0.25: C603.2 15.88,25.96 19.44,22.4 23.89,22.4 24.56,23.07 U602.16
Net-(C604-Pad1): length 50.2
  Top w0.25: v2(19.44,40.18) 17.41,38.15 C604.1
  Bottom w0.25: v2(19.44,40.18) 26.38,47.12 33.99,47.12 40.95,54.07 40.95,63.98 43.82,66.84 J603.8
Net-(C604-Pad2): length 17.4
  Top w0.25: U602.15 23.91,23.07 23.84,22.99 20.85,22.99 17.41,26.44 C604.2
Net-(C605-Pad1): length 49
  Top w0.25: C605.1 v2(189.37,34.08)
  Bottom w0.25: J602.7 175.77,66.71 174.41,68.07 172.76,68.07 170.16,65.47 170.16,56.34 189.37,37.13 v2(189.37,34.08)
Net-(C605-Pad2): length 16
  Top w0.25: C605.2 189.37,28.24 194.98,22.62 198.51,22.62 199.03,23.15 U601.16
Net-(C606-Pad1): length 43.5
  Top w0.25: C606.1 v2(190.89,34.08)
  Bottom w0.25: v2(190.89,34.08) 190.89,36.24 170.61,56.52 170.61,64.22 J602.8
Net-(C606-Pad2): length 13.9
  Top w0.25: U601.15 198.38,23.15 198.31,23.07 195.3,23.07 190.89,27.48 C606.2
Net-(C701-Pad1): length 6
  Top w0.4: R703.2 R704.1 R702.1 ; R701.2 R702.1 ; R702.1 C701.1
Net-(C801-Pad1): length 6
  Top w0.4: R802.1 R803.2 R804.1 ; R802.1 C801.1 ; R802.1 R801.2
Net-(C901-Pad1): length 6
  Top w0.4: R901.2 R902.1 R904.1 R903.2 ; C901.1 22.86,35.67
Net-(C1001-Pad1): length 6
  Top w0.4: R1001.2 R1002.1 ; R1002.1 R1004.1 R1003.2 ; R1002.1 C1001.1
Net-(C1101-Pad1): length 6
  Top w0.4: R1104.1 R1103.2 R1102.1 ; R1102.1 C1101.1 ; R1102.1 R1101.2
Net-(C1201-Pad1): length 6
  Top w0.4: R1203.2 R1204.1 196.83,34.87 ; C1201.1 R1202.1 R1201.2
Net-(D201-Pad1): length 2.3
  Top w0.6: D201.1 F202.2
Net-(D201-Pad2): length 11.6
  Top w0.6: D302.2 263.47,66.11 K201.3 262.7,64.17 R201.1 258.47,64.17
Net-(D303-Pad1): length 3.5
  Top w0.4: D303.1 D306.2
Net-(D303-Pad2): length 3.5
  Top w0.4: D305.1 D303.2
Net-(D304-Pad1): length 3.5
  Top w0.4: D304.1 D308.2
Net-(D304-Pad2): length 3.5
  Top w0.4: D307.1 D304.2
Net-(D305-Pad2): length 3.3
  Top w0.4: D309.1 260.39,21.38
Net-(D306-Pad1): length 3.5
  Top w0.4: D306.1 D310.2
Net-(D307-Pad2): length 3.5
  Top w0.4: D311.1 D307.2
Net-(D308-Pad1): length 3.5
  Top w0.4: D308.1 D312.2
Net-(D309-Pad2): length 26.2
  Top w0.4: D309.2 J301.1 ; R303.1 J301.1 R302.2 268.09,10.09 267.82,9.81 D313.1
Net-(D310-Pad1): length 32.6
  Top w0.4: J302.1 J302.1 ; J302.1 249.53,19.52 248.15,20.89 D314.2 D310.1 ; J302.1 R304.1 ; J302.1 R303.2
Net-(D311-Pad2): length 34.4
  Top w0.4: J303.1 235.4,17.39 240.15,22.14 D311.2 D315.1 ; J303.1 R304.2 ; J303.1 J303.1 ; J303.1 227.65,13.14
Net-(D312-Pad1): length 30
  Top w0.4: R305.2 221.34,13.08 ; J304.1 J304.1 221.27,17.02 220.15,18.14 D312.1 R306.1 215.52,29.51
Net-(D314-Pad1): length 3.5
  Top w0.4: D314.1 D315.2
Net-(D501-Pad2): length 26.5
  Top w0.25: v2(111.06,76.01) R502.1 D501.2 ; U501.3 v2(123.89,61.56)
  Bottom w0.25: v2(111.06,76.01) 111.06,72.8 122.3,61.56 v2(123.89,61.56)
Net-(J501-Pad1): length 20.9
  Top w0.25: R501.2 109.36,72.61 ; U501.1 v2(121.35,61.56)
  Bottom w0.25: J501.1 109.85,73.06 121.35,61.57 v2(121.35,61.56)
Net-(J502-Pad2): length 56.2
  Top w0.25: Q501.4 147.08,49.85 ; v2(146.06,49.96) 146.92,49.96
  Bottom w0.25: v2(146.06,49.96) 146.06,38.22 169.25,15.03 169.25,10.16 169.94,9.47 171.79,9.47 J502.2
Net-(J502-Pad3): length 47.4
  Top w0.25: Q501.1 151.89,48.55 ; v2(152.92,48.43) 152.05,48.43
  Bottom w0.25: v2(152.92,48.43) 152.92,32.38 170.43,14.87 J502.3
Net-(J504-Pad1): length 26.8
  Top w0.25: v2(133.99,61.5) 134.05,61.44 U501.11
  Bottom w0.25: v2(133.99,61.5) 131.19,64.29 131.19,83.36 130.3,84.24 J504.1
Net-(J504-Pad2): length 20.1
  Top w0.25: v2(130.18,67.85) 130.24,67.91 U501.21
  Bottom w0.25: v2(130.18,67.85) 127.76,70.26 J504.2
Net-(J601-Pad1): length 25.1
  Top w0.25: J601.1 24.6,15.54 33.16,15.54 34.17,16.56 34.17,20.75 33.28,21.64 28.66,21.64 27.81,22.49 U602.21
Net-(J601-Pad2): length 31.8
  Top w0.25: U602.22 28.46,22.53 28.9,22.09 33.47,22.09 34.68,20.88 34.68,16.3 33.47,15.09 23.23,15.09 21.75,16.57 21.75,18.55 23.01,19.81 J601.2
Net-(J601-Pad3): length 16.4
  Top w0.25: J601.3 26.53,16.15 30.96,16.15 31.63,16.82 31.63,18.08 30.62,19.09 30.62,20 29.49,21.13 28.53,21.13 27.16,22.5 U602.20
Net-(J601-Pad4): length 4.7
  Top w0.25: U602.17 25.21,21.28 J601.4
Net-(J601-Pad5): length 7.5
  Top w0.25: J601.5 27.95,20.44 25.86,22.53 U602.18
Net-(J601-Pad6): length 5.2
  Top w0.25: 29.21,19.81 26.51,22.52 U602.19
Net-(J601-Pad7): length 29.4
  Top w0.25: U602.9 24.56,30.61 23.44,31.74 20.65,31.74 19.67,30.76 19.67,27.01 20.98,25.7 v2(21.73,25.7) 21.7,25.68 R605.1
  Bottom w0.25: v2(21.73,25.7) 27.57,25.7 30.49,22.78 J601.7
Net-(J601-Pad8): length 23.6
  Top w0.25: v2(21.73,27.23) 21.7,27.25 R605.2 20.96,31.04 21.22,31.29 23.25,31.29 23.91,30.63 U602.10
  Bottom w0.25: v2(21.73,27.23) 27.06,27.23 31.76,22.52 J601.8
Net-(J604-Pad1): length 21.3
  Top w0.25: J604.1 196.34,16.47 197.26,15.55 204.78,15.55 206.36,17.13 206.36,20.35 205.06,21.65 203.39,21.65 202.28,22.76 U601.21
Net-(J604-Pad2): length 27.7
  Top w0.25: J604.2 196.48,19.81 195.07,18.4 195.07,16.51 196.48,15.1 204.97,15.1 206.81,16.94 206.81,20.54 205.25,22.1 203.58,22.1 202.94,22.74 U601.22
Net-(J604-Pad3): length 15.9
  Top w0.25: J604.3 200.15,16 204.6,16 205.23,16.64 205.23,18.03 203.96,19.3 203.96,20.44 201.63,22.77 U601.20
